# Altium PCB rf_modulator_source.PcbDoc (part 2 of 2)
Units mm, origin at the board's own origin, x right, y up, seen from the top; angles counter-clockwise.
Board outline 79.5 x 119 mm, 4 copper layers (Top Layer, GND, Inner Layer 2, Bottom Layer), stack 1.546 mm thick; 214 components, 135 nets, 579 pads, 364 vias.
Unrouted connection lines stored in the file: 6.
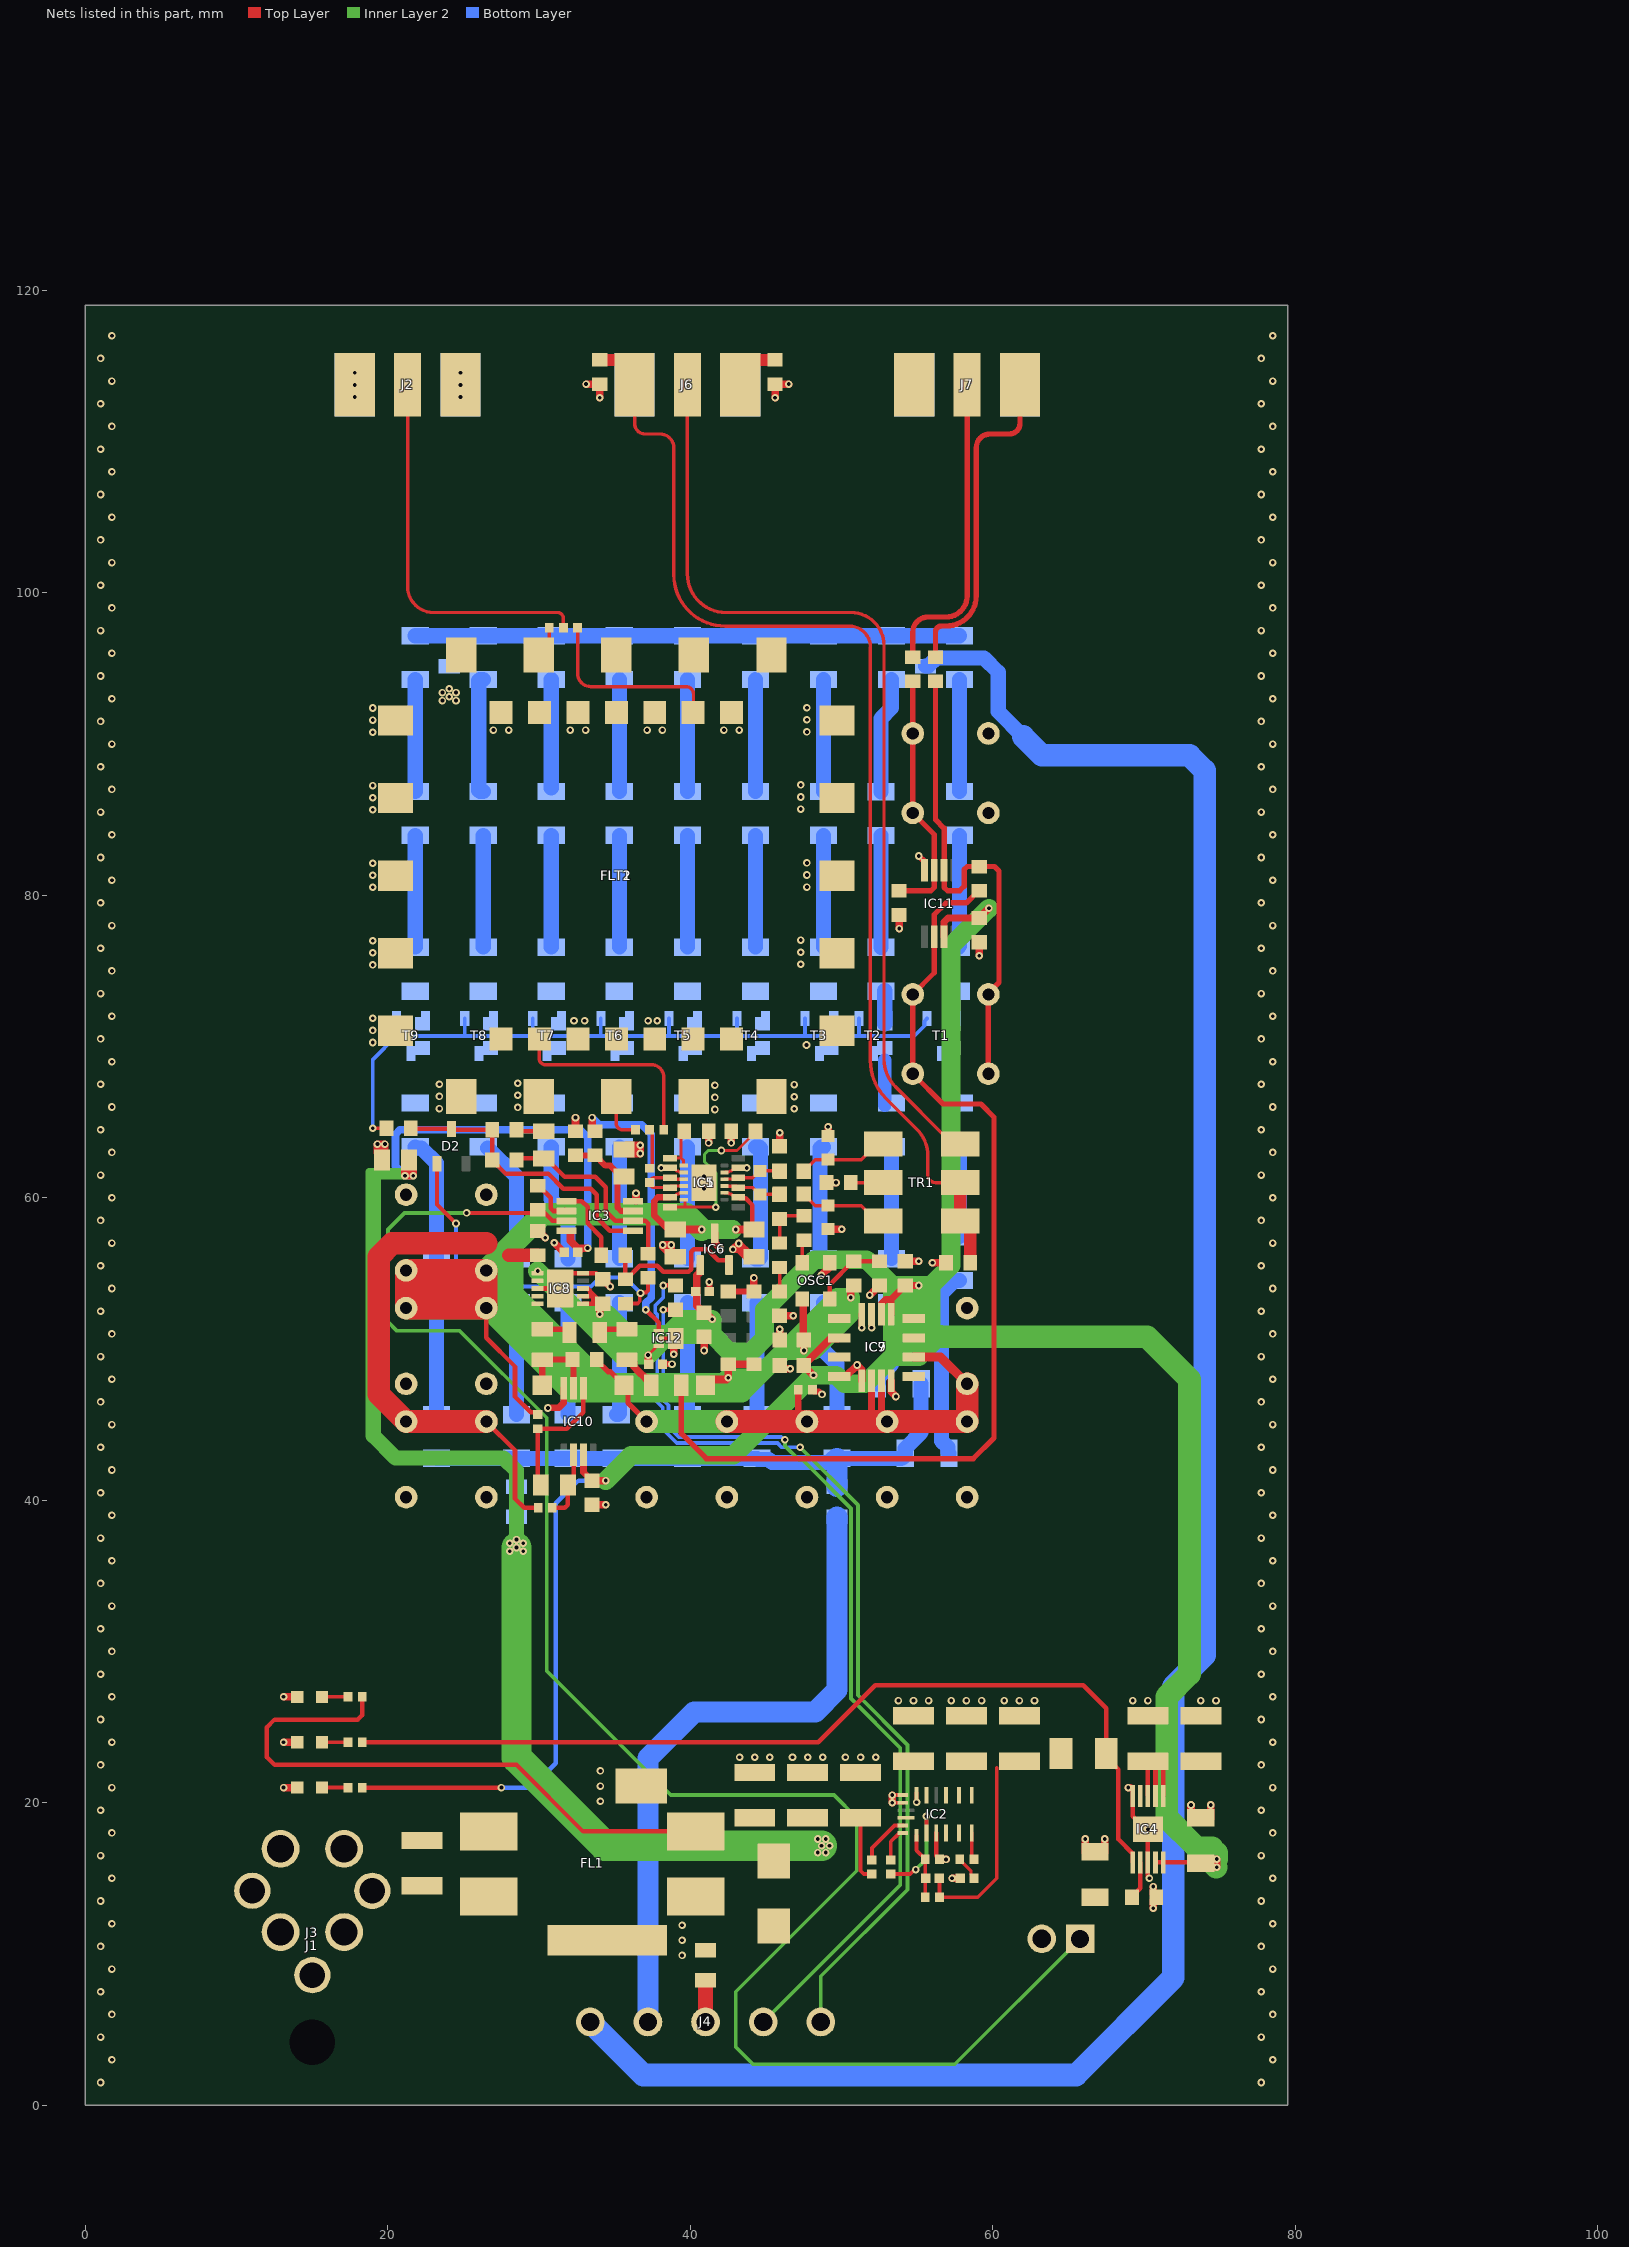
[diagram p4: the nets of this part, all layers, seen from the top]

## Via types
v1: diameter 0.5, hole 0.25, Top Layer to Bottom Layer, tented both sides, 364 vias

## Nets (pads, with @x,y where several pads share a name; then routed paths per layer and width w, separated by ;. In a path a pad name is that pad's centre, name@x,y a point inside that pad or via, vN(x,y) a via of type N, cw(c..) or ccw(c..) an arc to the next point about the centre after c; other vN are vias at no path point) (continued)
GND: C2.1 C5.1 C6.1 C7.1 C8.1 C9.1 C10.2 C11.1 C12.1 C13.1 C14.1 C16.1 C17.1 C19.1 C22.1 C23.1 C24.1 C25.1 C26.1 C27.1 C28.1 C29.1 C30.1 C31.1 C32.1 C33.1 C34.1 C35.1 C36.1 C37.1 C38.1 C39.1 C40.1 C41.1 C42.1 C46.1 C47.1 C48.1 C49.1 C50.1 C51.1 D1.2 FL1.4 FLT1.1 FLT1.2 FLT1.3 FLT1.4 FLT1.5 FLT1.6 FLT1.7 FLT1.8 FLT1.10 FLT1.11 FLT1.12 FLT1.13 FLT1.14 FLT1.15 FLT1.16 FLT1.17 FLT1.19 FLT1.20 FLT2.1 FLT2.3 FLT2.4 FLT2.5 FLT2.7 FLT2.8 FLT2.10 FLT2.11 FLT2.12 FLT2.14 IC1.5 IC1.8 IC1.13 IC2.3 IC2.12 IC2.13 IC2.14 IC3.4 IC4.5 IC4.8 IC4.11 IC5.5 IC5.8 IC6.3 IC7.4 IC8.5 IC8.8 IC8.11 IC9.3 IC9.4 IC9.5 IC9.8 IC10.4 IC11.4 IC12.2 IC12.4 J2.2 J5.2 LD1.1 LD2.1 LD3.1 OSC1.2 R4.1 R6.1 R7.1 R8.1 R13.1 R14.1 R17.2 R19.1 R32.1 R64.1 R84.1 R85.1 R95.1 R104.1 R105.1 R107.2 R112.1 R119.1 R120.1 | length 78.5
  Top Layer w0.2: IC5.8@38.65,61.975 38.885,61.975 39.093,61.767 39.194,61.767 39.261,61.7 39.525,61.7 IC1.8@39.55,61.675 ; IC1.5@42.25,61.675 42.275,61.7 42.539,61.7 42.606,61.767 42.707,61.767 42.915,61.975 IC5.5@43.15,61.975
  Top Layer w0.25: IC12.2@37.9,50.7 IC12.4@39.025,50.7 ; v1(53.35,20) IC2.14@54.05,20 ; v1(53.35,20.5) IC2.13@54.05,20.5 ; v1(54.95,20.025) IC2.12@54.95,20.65
  Top Layer w0.3: IC8.8@29.9,54 IC8.11@31.4,54 31.4,54.275 32.125,55 IC8.5@32.9,55 33.775,55 34.175,54.6 C31.1@34.2,54.6 ; IC2.3@56.25,18 56.25,16.49 56.47,16.27 R19.1@56.47,16.25 ; v1@68.9,21 v1(68.95,21) IC4.5@69.25,21 ; IC4.5@69.25,21.025 IC4.5@69.25,21 ; v1(70.35,15) 70.35,15.054 70.25,15.154 IC4.8@70.25,16.05 v1(70.25,18.25) 70.1,18.25 69.25,19.1 IC4.5@69.25,20.45 IC4.5@69.25,21
  Top Layer w0.4: C28.1@38.15,49 v1(38.78,49) ; C25.1@41.25,53.8 v1(41.25,54.43) ; R14.1@42.5,53.8 R13.1@44.2,53.8 ; R107.2@48.07,47.3 48.07,47.28 48.16,47.19 48.483,47.19 48.673,47 v1(48.7,47) ; v1(55.1,82.6) 55.45,82.25 55.45,81.675 IC11.4@55.475,81.65
  Top Layer w0.45: v1(30.575,46.1) 30.585,46.11 31.285,46.11 31.625,46.45 IC10.4@31.625,47.4 ; v1(51.325,51.4) IC9.4@51.325,52.3 ; v1(51.975,51.4) IC9.3@51.975,52.3
  Top Layer w0.5: v1(13.1,21) LD1.1@14,21 ; v1(13.1,24) LD2.1@14,24 ; v1(13.1,27) LD3.1@14,27 ; R112.1@29.95,57.8 v1(30.4,57.35) ; v1(31,57.025) C26.1@31.625,56.4 ; R85.1@32.4,64.4 v1(32.4,65.3) ; v1(33.1,113.8) R105.1@34,113.8 v1(34,112.9) ; C9.1@33.5,39.7 v1(34.4,39.7) ; C31.1@34.2,54.6 34.225,54.6 v1(34.7,54.125) ; C51.1@35.7,63.3 C51.1@35.6,63.2 36.325,63.2 ; C51.1@35.775,62.925 v1(36.675,62.925) v1(36.675,63.475) C51.1@35.775,63.475 ; IC3.4@36.4,59.8 v1(36.4,60.3) ; v1(38.9,49.65) 38.9,50.575 IC12.4@39.025,50.7 ; v1(40.9,49.9) C24.1@40.9,50.8 ; v1(41.2,63.625) R6.1@41.2,64.4 ; IC6.3@41.6,57.65 41.6,57.025 41.811,56.814 v1(41.975,56.65) ; v1(42.7,63.625) R7.1@42.7,64.4 ; 43.487,56.488 44,55.975 43.818,55.975 43.207,56.586 v1(42.811,56.586) v1(43.2,56.975) 43.211,56.975 43.893,56.293 C30.1@44.071,56.293 ; R13.1@44.2,53.8 v1(44.2,54.7) ; v1(45.6,112.9) R120.1@45.6,113.8 v1(46.5,113.8) ; C8.1@45.7,48.7 v1(46.6,48.7) ; C2.1@45.9,50.4 v1(45.9,51.3) ; C7.1@45.9,52.2 v1(46.8,52.2) ; C23.1@45.9,63.4 v1(45.9,64.3) ; v1(48.664,54.864) OSC1.2@49.3,55.5 ; R4.1@49,61 v1(49.625,61) ; R84.1@49.1,57.925 v1(50,57.925) ; R104.1@49.1,64.075 v1(49.1,64.7) ; IC7.4@49.835,48.195 50.27,48.195 v1(51.015,48.94) 51.325,48.631 IC9.5@51.325,47.9 ; v1(51.864,53.564) R8.1@52.5,54.2 ; IC9.8@53.275,47.9 53.275,47.169 v1(53.584,46.86) ; v1(53.35,20) v1(53.35,20.5) ; v1(53.8,77.8) R119.1@53.8,78.7 ; C32.1@54.2,55.8 v1(55.1,55.8) ; v1(56,55.7) R64.1@56.9,55.7 ; R19.1@56.47,16.25 v1(56.9,16.25) ; v1(57.3,15) C10.2@57.85,15 ; v1(59.1,76) C46.1@59.1,76.9 ; C19.1@66.1,16.7 v1(66.1,17.6) ; C19.1@67.4,16.7 v1(67.4,17.6) ; v1(68.95,21) v1@69.075,21 ; v1(70.6,13.025) 70.6,13.55 R32.1@70.8,13.75 70.6,13.95 v1(70.6,14.45) ; C17.1@73.1,18.95 v1(73.1,19.85) ; C17.1@74.4,18.95 v1(74.4,19.85) ; C27.1@19.3,62.975 19.6,62.675 C27.1@19.6,62.5 19.8,62.7 v1(19.8,63.55) v1(19.3,63.55) C27.1@19.3,62.975 ; v1@38.175,56.75 38.825,56.1 C29.1@39,56.1 38.725,56.375 v1(38.725,56.875) v1(38.175,56.875) v1@38.175,56.75
  other v1: 1,1.5 77.75,1.5 1.75,3 78.5,3 1,4.5 77.75,4.5 1.75,6 78.5,6 1,7.5 77.75,7.5 1.75,9 78.5,9 39.45,9.9 1,10.5 77.75,10.5 39.45,10.9 39.45,11.9 1.75,12 78.5,12 1,13.5 77.75,13.5 1.75,15 78.5,15 1,16.5 77.75,16.5 1.75,18 78.5,18 1,19.5 77.75,19.5 34.05,20.1 1.75,21 78.5,21 34.05,21.1 34.05,22.1 1,22.5 77.75,22.5 43.25,23 44.25,23 45.25,23 46.75,23 47.75,23 48.75,23 50.25,23 51.25,23 52.25,23 1.75,24 78.5,24 1,25.5 77.75,25.5 53.75,26.75 54.75,26.75 55.75,26.75 57.25,26.75 58.25,26.75 59.25,26.75 60.75,26.75 61.75,26.75 62.75,26.75 69.25,26.75 70.25,26.75 73.75,26.75 74.75,26.75 1.75,27 78.5,27 1,28.5 77.75,28.5 1.75,30 78.5,30 1,31.5 77.75,31.5 1.75,33 78.5,33 1,34.5 77.75,34.5 1.75,36 78.5,36 1,37.5 77.75,37.5 1.75,39 78.5,39 1,40.5 77.75,40.5 1.75,42 78.5,42 1,43.5 77.75,43.5 1.75,45 78.5,45 1,46.5 77.75,46.5 1.75,48 78.5,48 1,49.5 77.75,49.5 1.75,51 78.5,51 1,52.5 77.75,52.5 1.75,54 78.5,54 1,55.5 77.75,55.5 1.75,57 78.5,57 1,58.5 77.75,58.5 1.75,60 78.5,60 40.9,60.6 40.9,61.4 1,61.5 77.75,61.5 38.075,61.975 43.725,61.975 1.75,63 78.5,63 1,64.5 77.75,64.5 41.62,65.835 23.4,65.9 46.865,65.88 28.58,65.975 1.75,66 78.5,66 41.62,66.635 46.865,66.68 23.4,66.7 28.58,66.775 41.62,67.435 1,67.5 23.4,67.5 46.865,67.48 77.75,67.5 28.58,67.575 1.75,69 78.5,69 47.675,70.1 19,70.265 1,70.5 77.75,70.5 19,71.065 32.3,71.7 33,71.7 37.2,71.7 37.8,71.7 19,71.865 1.75,72 78.5,72 1,73.5 77.75,73.5 1.75,75 78.5,75 19,75.395 47.3,75.44 19,76.195 47.3,76.24 1,76.5 77.75,76.5 19,76.995 47.3,77.04 1.75,78 78.5,78 1,79.5 77.75,79.5 19,80.525 47.7,80.54 1.75,81 78.5,81 19,81.325 47.7,81.34 19,82.125 47.7,82.14 1,82.5 77.75,82.5 1.75,84 78.5,84 1,85.5 77.75,85.5 19,85.655 47.3,85.7 19,86.455 47.3,86.5 1.75,87 78.5,87 19,87.255 47.3,87.3 1,88.5 77.75,88.5 1.75,90 78.5,90 19,90.785 47.7,90.8 26.97,90.925 27.99,90.925 32.05,90.925 33.07,90.925 37.13,90.925 38.15,90.925 42.21,90.925 43.23,90.925 1,91.5 77.75,91.5 19,91.585 47.7,91.6 19,92.385 47.7,92.4 23.6,92.875 24.5,92.875 1.75,93 78.5,93 24.05,93.125 23.6,93.4 24.5,93.4 24.05,93.65 1,94.5 77.75,94.5 1.75,96 78.5,96 1,97.5 77.75,97.5 1.75,99 78.5,99 1,100.5 77.75,100.5 1.75,102 78.5,102 1,103.5 77.75,103.5 1.75,105 78.5,105 1,106.5 77.75,106.5 1.75,108 78.5,108 1,109.5 77.75,109.5 1.75,111 78.5,111 1,112.5 77.75,112.5 17.808,112.95 24.793,112.95 17.808,113.75 24.793,113.75 1.75,114 78.5,114 17.808,114.55 24.793,114.55 1,115.5 77.75,115.5 1.75,117 78.5,117
HEATER_CONTROL: R63.2 T1.1 T2.1 T3.1 T4.1 T5.1 T6.1 T7.1 T8.1 T9.1 | length 52.7
  Top Layer w0.25: v1(19,64.6) R63.2@19.9,64.6
  Bottom Layer w0.25: v1(19,64.6) 19,69.15 20.55,70.7 ; T9.1@20.575,71.85 20.575,70.725 20.55,70.7 ; T8.1@25.075,71.85 25.075,70.725 25.05,70.7 ; T7.1@29.575,71.85 29.575,70.725 29.55,70.7 ; T6.1@34.075,71.85 34.075,70.725 34.05,70.7 ; T5.1@38.575,71.85 38.575,70.725 38.55,70.7 ; T4.1@43.075,71.85 43.075,70.725 43.05,70.7 ; T3.1@47.575,71.85 47.575,70.725 ; T2.1@51.15,71.85 51.15,70.7 ; T1.1@55.65,71.85 55.475,71.675 55.475,71.375 54.8,70.7 51.15,70.7 ; 20.55,70.7 25.05,70.7 ; 25.05,70.7 29.55,70.7 ; 29.55,70.7 34.05,70.7 ; 34.05,70.7 38.55,70.7 ; 38.55,70.7 43.05,70.7 ; 43.05,70.7 47.55,70.7 47.575,70.725 ; 47.575,70.725 47.575,70.7 51.15,70.7
HT_EXT_PWR_N: J4.1 R96.1 | length 146.6
  Bottom Layer w1: R96.1@55.55,95.15 55.725,95.15 56.275,95.7 59.4,95.7 60.35,94.75 60.35,92.15 62,90.5
  Bottom Layer w1.5: J4.1@33.38,5.5 36.88,2 65.5,2 71.927,8.427 71.927,27.677 74,29.75 74,88.25 73,89.25 63.25,89.25 62,90.5
HT_EXT_PWR_P: J4.2 R21.2 | length 43.3
  Bottom Layer w1.4: J4.2@37.19,5.5 37.19,22.94 40.25,26 48.25,26 49.7,27.45 R21.2@49.7,38.9
HT_EXT_SEN_1: J4.4 RT1.1 | length 62.3
  Top Layer w0.3: v1(38.2,52.6) RT1.1@39,52.6
  Inner Layer 2 w0.25: J4.4@44.81,5.5 53.875,14.565 53.875,23.625 50.617,26.883 50.617,39.458 47.4,42.675 47.171,42.675 46.25,43.596 v1(46.25,44)
  Bottom Layer w0.25: v1(38.2,52.6) 38.2,46.625 38.55,46.275 38.55,44.875 39.252,44.173 46.009,44.173 46.182,44 v1(46.25,44)
HT_EXT_SEN_2: J4.5 RT1.2 | length 63.6
  Top Layer w0.3: v1(38.2,54.2) RT1.2@39,54.2
  Inner Layer 2 w0.25: v1(47.25,43.5) 51.075,39.675 51.075,27.1 54.35,23.825 54.35,14.25 48.62,8.52 J4.5@48.62,5.5
  Bottom Layer w0.25: v1(38.2,54.2) 38.2,53.4 37.675,52.875 37.675,52.415 37.8,52.29 37.8,46.5 38.175,46.125 38.175,44.7 39.1,43.775 45.75,43.775 46.027,43.498 47.248,43.498 v1(47.25,43.5)
NetC1_1: C1.1 R84.2 TR1.6 | length 6
  Top Layer w0.223: C1.1@47.5,60.25 47.5,60.225 48.25,59.475 R84.2@49.1,59.475 51.3,59.475 52.315,58.46 TR1.6@52.76,58.46
NetC3_1: C3.1 R104.2 TR1.4 | length 6
  Top Layer w0.223: C3.1@47.5,61.75 47.5,61.775 48.25,62.525 R104.2@49.1,62.525 51.3,62.525 52.315,63.54 TR1.4@52.76,63.54
NetC4_1: C4.1 FL1.3 J1.1 J1.2 J3.2 J3.3
NetC4_2: C4.2 FL1.1 J1.3 J1.4 J3.1
NetC7_2: C7.2 R3.1 | length 1.6
  Top Layer w0.223: C7.2@45.9,53.8 R3.1@45.9,55.4
NetC10_1: C10.1 R11.2 | length 1.6
  Top Layer w0.2: R11.2@57.81,16.25 57.81,16.23 58.54,15.5 58.54,15.21 C10.1@58.75,15
NetC12_2: C12.2 C13.2 C14.2 C15.2 IC2.7 IC2.8 IC2.9 L1.1 R16.2 | length 15.5
  Top Layer w0.25: C15.2@56.45,15 56.46,14.99 56.46,13.76 R16.2@56.47,13.75 59,13.75 60.25,15 60.25,22.3 ; C13.2@58.25,22.75 58.8,22.75 C13.2@59.25,22.3 ; C14.2@61.75,22.75 62.525,22.75 C14.2@62.975,22.3
NetC15_1: C15.1 IC2.1 R16.1 R19.2 | length 4.3
  Top Layer w0.25: IC2.1@54.95,17.85 54.95,16.85 55.53,16.27 R19.2@55.53,16.25 R16.1@55.53,13.75
NetC18_1: C18.1 C20.1 IC3.2 R62.2 | length 13.5
  Top Layer w0.3: C18.1@28.5,62.5 28.6,62.6 C20.1@30.3,62.6 30.475,62.6 31.675,61.4 33.7,61.4 34.4,60.7 34.4,59.1 35.025,58.475 IC3.2@36.2,58.475 37.024,58.475 37.2,58.299 R62.2@37.2,56.3
NetC18_2: C18.2 D2.3 IC3.1 R42.2 R63.1 | length 19.6
  Top Layer w0.3: R63.1@21.5,64.6 21.55,64.55 D2.3@24.2,64.55 24.25,64.5 R42.2@26.9,64.5 C18.2@26.9,62.5 26.9,62.475 27.775,61.6 30.6,61.6 31.6,60.6 33.4,60.6 33.8,60.2 33.8,58.7 34.675,57.825 IC3.1@36.2,57.825
NetC19_2: C19.2 IC4.7 R32.2 | length 2.5
  Top Layer w0.3: R32.2@69.2,13.75 69.2,13.8 69.75,14.35 IC4.7@69.75,16.05
NetC20_2: C20.2 R42.1 | length 1.8
  Top Layer w0.3: R42.1@28.5,64.5 28.6,64.4 C20.2@30.3,64.4
NetC21_1: C21.1 R1.2 R3.2 | length 3.3
  Top Layer w0.223: R3.2@45.9,57 C21.1@45.9,58.6 46.1,58.8 R1.2@47.5,58.8
NetC43_1: C43.1 C45.1 IC11.2 R111.1 R113.2 | length 32.7
  Top Layer w0.35: R113.2@56.2,94.15 56.2,85 56.775,84.425 IC11.2@56.775,81.65 56.775,80.525 57,80.3 57.8,80.3 58.1,80.6 58.1,81.695 58.305,81.9 60.1,81.9 60.4,81.6 60.4,74.23 59.7,73.53 C43.1@59.7,68.2
NetC43_2: C43.2 C45.2 IC11.6 R111.2 R114.1 | length 67.6
  Top Layer w0.35: R114.1@39.4,47.6 39.4,44.4 41.05,42.75 58.7,42.75 60.075,44.125 60.075,65.325 59.2,66.2 56.7,66.2 C43.2@54.7,68.2 C45.2@54.7,73.45 56.125,74.875 IC11.6@56.125,77.25 56.125,78.725 56.9,79.5 58.25,79.5 59.05,80.3 R111.2@59.1,80.3
NetC44_1: C44.1 IC10.6 R109.1 | length 4.6
  Top Layer w0.3: R109.1@30.87,39.5 31.7,39.5 31.9,39.7 C44.1@31.9,41 32.275,41.375 IC10.6@32.275,43
NetC44_2: C44.2 IC10.2 R108.2 | length 8.9
  Top Layer w0.3: C44.2@30.1,41 29.9,41.2 R108.2@29.9,44.73 31.83,44.73 32.925,45.825 IC10.2@32.925,47.4
NetC47_2: C47.2 C48.2 IC8.7 R109.2 R112.2 | length 34
  Top Layer w0.3: C48.2@26.506,45.2 28.4,43.306 28.4,40.1 29,39.5 R109.2@29.93,39.5
  Top Layer w0.9: 28,56.2 R112.2@29.9,56.2
  Top Layer w1.5: 26.5,57 20.3,57 19.4,56.1 19.4,47 C47.2@21.2,45.2 C48.2@26.506,45.2
NetC49_2: C49.2 C50.2 IC11.3 R118.2 R119.2 | length 16.6
  Top Layer w0.35: R119.2@53.8,80.3 55.9,80.3 56.125,80.525 IC11.3@56.125,81.65 56.125,84.025 C50.2@54.7,85.45 C49.2@54.7,90.7 R118.2@54.7,94.15
NetC51_2: C51.2 IC3.3 R85.2 R98.1 | length 6.9
  Top Layer w0.4: R85.2@32.4,62.8 R98.1@33.7,62.8 ; R98.1@33.75,62.8 R98.1@33.7,62.8 ; R98.1@33.9,62.6 R98.1@33.7,62.8 ; R98.1@34.05,62.45 34.375,62.125 34.7,62.125 35.425,61.4 C51.2@35.5,61.4 ; C51.2@35.6,61.4 C51.2@35.5,61.4 ; IC3.3@36.2,59.125 35.409,59.125 35.175,59.359 35.175,61.075 C51.2@35.5,61.4
NetD2_1: D2.1 R61.2 R62.1 | length 23.7
  Top Layer w0.25: D2.1@23.25,62.25 23.25,59.55 v1(24.5,58.3) ; R61.2@35.7,53 36.5,53 36.652,53.152 36.652,53.652 36.729,53.729 37.054,53.729 37.2,53.875 R62.1@37.2,54.7
  Bottom Layer w0.25: v1(24.5,58.3) 24.5,55.45 25.825,54.125 33.425,54.125 34.025,54.725 35.675,54.725 v1(36.7,53.7)
NetFLT1_9: FLT1.9 R100.1 | length 2.7
  Top Layer w0.223: FLT1.9@29.97,95.895 ccw(c29.97,96.585) 30.66,96.585 R100.1@30.66,97.7
  Top Layer w0.25: FLT1.9@29.97,95.895 FLT1.9@30.33,96.255
NetFLT1_18: FLT1.18 R99.2 | length 3.7
  Top Layer w0.223: FLT1.18@35.1,66.705 35.1,64.9 ccw(c35.5,64.9) 35.5,64.5 R99.2@36.36,64.5
  Top Layer w0.25: FLT1.18@34.34,67.045 FLT1.18@34.627,66.758
NetFLT2_2: FLT2.2 R74.2 | length 13.7
  Top Layer w0.223: FLT2.2@30.02,70.505 ccw(c30.02,70.485) 30,70.485 30,69.2 ccw(c30.4,69.2) 30.4,68.8 37.4,68.8 cw(c37.4,67.96) 38.24,67.96 R74.2@38.24,64.5
NetFLT2_6: FLT2.6
NetFLT2_9: FLT2.9 R97.1 | length 12.7
  Top Layer w0.223: R97.1@32.54,97.7 32.54,94.66 ccw(c33.4,94.66) 33.4,93.8 39.7,93.8 cw(c39.7,93.3) 40.2,93.3 40.2,92.115 cw(c40.18,92.115) FLT2.9@40.18,92.095
NetFLT2_13: FLT2.13
NetIC1_9: IC1.9 IC1.10 IC5.9 IC5.10 R2.1 | length 5
  Top Layer w0.223: IC1.10@39.55,60.775 38.75,60.775 ccw(c38.75,60.675) IC5.10@38.65,60.675 37.63,60.675 cw(c37.63,61.005) R2.1@37.3,61.005 cw(c37.62,61.005) 37.62,61.325 IC5.9@38.65,61.325 ccw(c38.75,61.325) 38.75,61.225 IC1.9@39.55,61.225
NetIC2_2: IC2.2 R15.1 | length 6.7
  Top Layer w0.25: R15.1@53.25,15.28 54.537,15.28 54.832,15.575 v1(54.9,15.575) ; IC2.2@55.6,18 v1(55.6,19.1)
  Inner Layer 2 w0.25: v1(54.9,15.575) 55.6,16.275 v1(55.6,19.1)
NetIC2_4: IC2.4 IC2.5 IC2.6 R11.1 | length 1.8
  Top Layer w0.25: IC2.6@58.6,18 58.6,16.4 R11.1@58.75,16.25
NetIC2_11: IC2.11
NetIC2_17: IC2.17 R12.1 | length 3.5
  Top Layer w0.25: R12.1@52,16.22 52,17 53.5,18.5 IC2.17@54.05,18.5
NetIC3_5: IC3.5 R22.2 | length 5.1
  Top Layer w0.3: IC3.5@31.8,59.775 32.825,59.775 33.2,59.4 33.2,58.3 34.1,57.4 R22.2@34.1,56.2
NetIC3_6: IC3.6 R18.1 | length 3.1
  Top Layer w0.3: R18.1@29.9,60.8 29.95,60.8 30.754,59.996 30.754,59.301 30.93,59.125 IC3.6@31.8,59.125 IC3.6@31.725,59.2
NetIC4_4: IC4.4
NetIC7_1: IC7.1
NetIC7_3: IC7.3
NetIC7_5: IC7.5
NetIC7_7: IC7.7
NetIC7_8: IC7.8
NetIC10_3: IC10.3 R110.2 R117.2 TP4.1 | length 5.6
  Top Layer w0.3: R110.2@32.2,49.3 R110.2@32.275,49.225
  Top Layer w0.4: TP4.1@30.2,47.6 R117.2@30.2,49.3 R110.2@32.2,49.3 ; IC10.3@32.275,47.4 R110.2@32.275,49.225
NetJ4_3: J4.3 R17.1 | length 2.8
  Top Layer w1: J4.3@41,5.5 R17.1@41,8.25
NetLD1_2: LD1.2 R101.2 | length 1.7
  Top Layer w0.25: LD1.2@15.65,21 R101.2@17.355,21
NetLD2_2: LD2.2 R102.2 | length 1.7
  Top Layer w0.25: LD2.2@15.65,24 R102.2@17.355,24
NetLD3_2: LD3.2 R103.1 | length 1.7
  Top Layer w0.25: LD3.2@15.65,27 R103.1@17.355,27
NetOSC1_1: OSC1.1 R5.1 R8.2 | length 4.9
  Top Layer w0.3: OSC1.1@49.2,53.3 49.2,54.25 50.75,55.8 R5.1@50.8,55.8 R8.2@52.5,55.8
NetOSC1_3: OSC1.3 R1.1 | length 1.5
  Top Layer w0.223: OSC1.3@47.4,55.7 47.4,57.1 R1.1@47.5,57.2
NetR4_2: R4.2 TR1.5 | length 2.2
  Top Layer w0.223: R4.2@50.6,61 TR1.5@52.76,61
NetR20_1: R20.1 R21.1 R23.2 R24.2 R25.2 R26.2 R27.2 R28.2 R29.2 R30.2 R31.2 | length 40.2
  Bottom Layer w0.9: R20.1@28.5,40.9 R30.2@28.5,42.765
  Bottom Layer w1: R31.2@23.2,42.765 R30.2@28.5,42.765 R29.2@31.9,42.765 R28.2@35.1,42.765 R27.2@39.8,42.765 R26.2@44.4,42.765 44.475,42.69 45.196,42.69 45.386,42.5 49.11,42.5 49.375,42.765 R25.2@49.7,42.765 53.865,42.765 ccw(c53.865,43.1) R23.2@54.2,43.1 54.2,43.425 55.25,44.475 R24.2@55.25,47.7
  Bottom Layer w1.4: R21.1@49.7,40.9 R25.2@49.7,42.765
NetR23_1: R23.1 R33.2 | length 12.3
  Bottom Layer w1: R23.1@57.1,43.1 57.025,43.175 57.025,43.5 56.6,43.925 56.6,53.655 57.475,54.53 R33.2@57.8,54.53
NetR24_1: R24.1 R34.2 | length 5.8
  Bottom Layer w1: R24.1@52.35,47.7 52.425,47.775 52.425,48.1 53.3,48.975 R34.2@53.3,53.065
NetR25_1: R25.1 R35.2 | length 7.8
  Bottom Layer w1: R35.2@48.8,53.065 48.8,49.9 49.7,49 R25.1@49.7,45.665
NetR26_1: R26.1 R36.2 | length 7.4
  Bottom Layer w1: R26.1@44.4,45.665 R36.2@44.4,53.065
NetR27_1: R27.1 R37.2 | length 7.4
  Bottom Layer w1: R27.1@39.8,45.665 R37.2@39.8,53.065
NetR28_1: R28.1 R38.2 | length 7.6
  Bottom Layer w1: R28.1@35.1,45.665 35.225,45.665 35.3,45.74 R38.2@35.3,53.065
NetR29_1: R29.1 R39.2 | length 7.4
  Bottom Layer w1: R29.1@31.9,45.665 R39.2@31.9,53.065
NetR30_1: R30.1 R40.2 | length 7.4
  Bottom Layer w1: R30.1@28.5,45.665 R40.2@28.5,53.065
NetR31_1: R31.1 R41.2 | length 7.4
  Bottom Layer w1: R31.1@23.2,45.665 R41.2@23.2,53.065
NetR33_1: R33.1 R43.2 | length 5.9
  Bottom Layer w1: R33.1@57.8,57.43 R43.2@57.8,63.365
NetR34_1: R34.1 R44.2 | length 7.4
  Bottom Layer w1: R34.1@53.3,55.98 R44.2@53.3,63.365
NetR35_1: R35.1 R45.2 | length 7.8
  Bottom Layer w1: R35.1@48.8,55.965 48.65,55.965 48.575,56.04 48.575,63.29 48.65,63.365 R45.2@48.8,63.365
NetR36_1: R36.1 R46.2 | length 8
  Bottom Layer w1: R36.1@44.3,55.965 44.55,55.965 44.625,56.04 44.625,63.29 44.55,63.365 R46.2@44.3,63.365
NetR37_1: R37.1 R47.2 | length 7.4
  Bottom Layer w1: R37.1@39.8,55.98 R47.2@39.8,63.365